# KiCad board GateMateA1-EVB_Rev_A.kicad_pcb (continued)
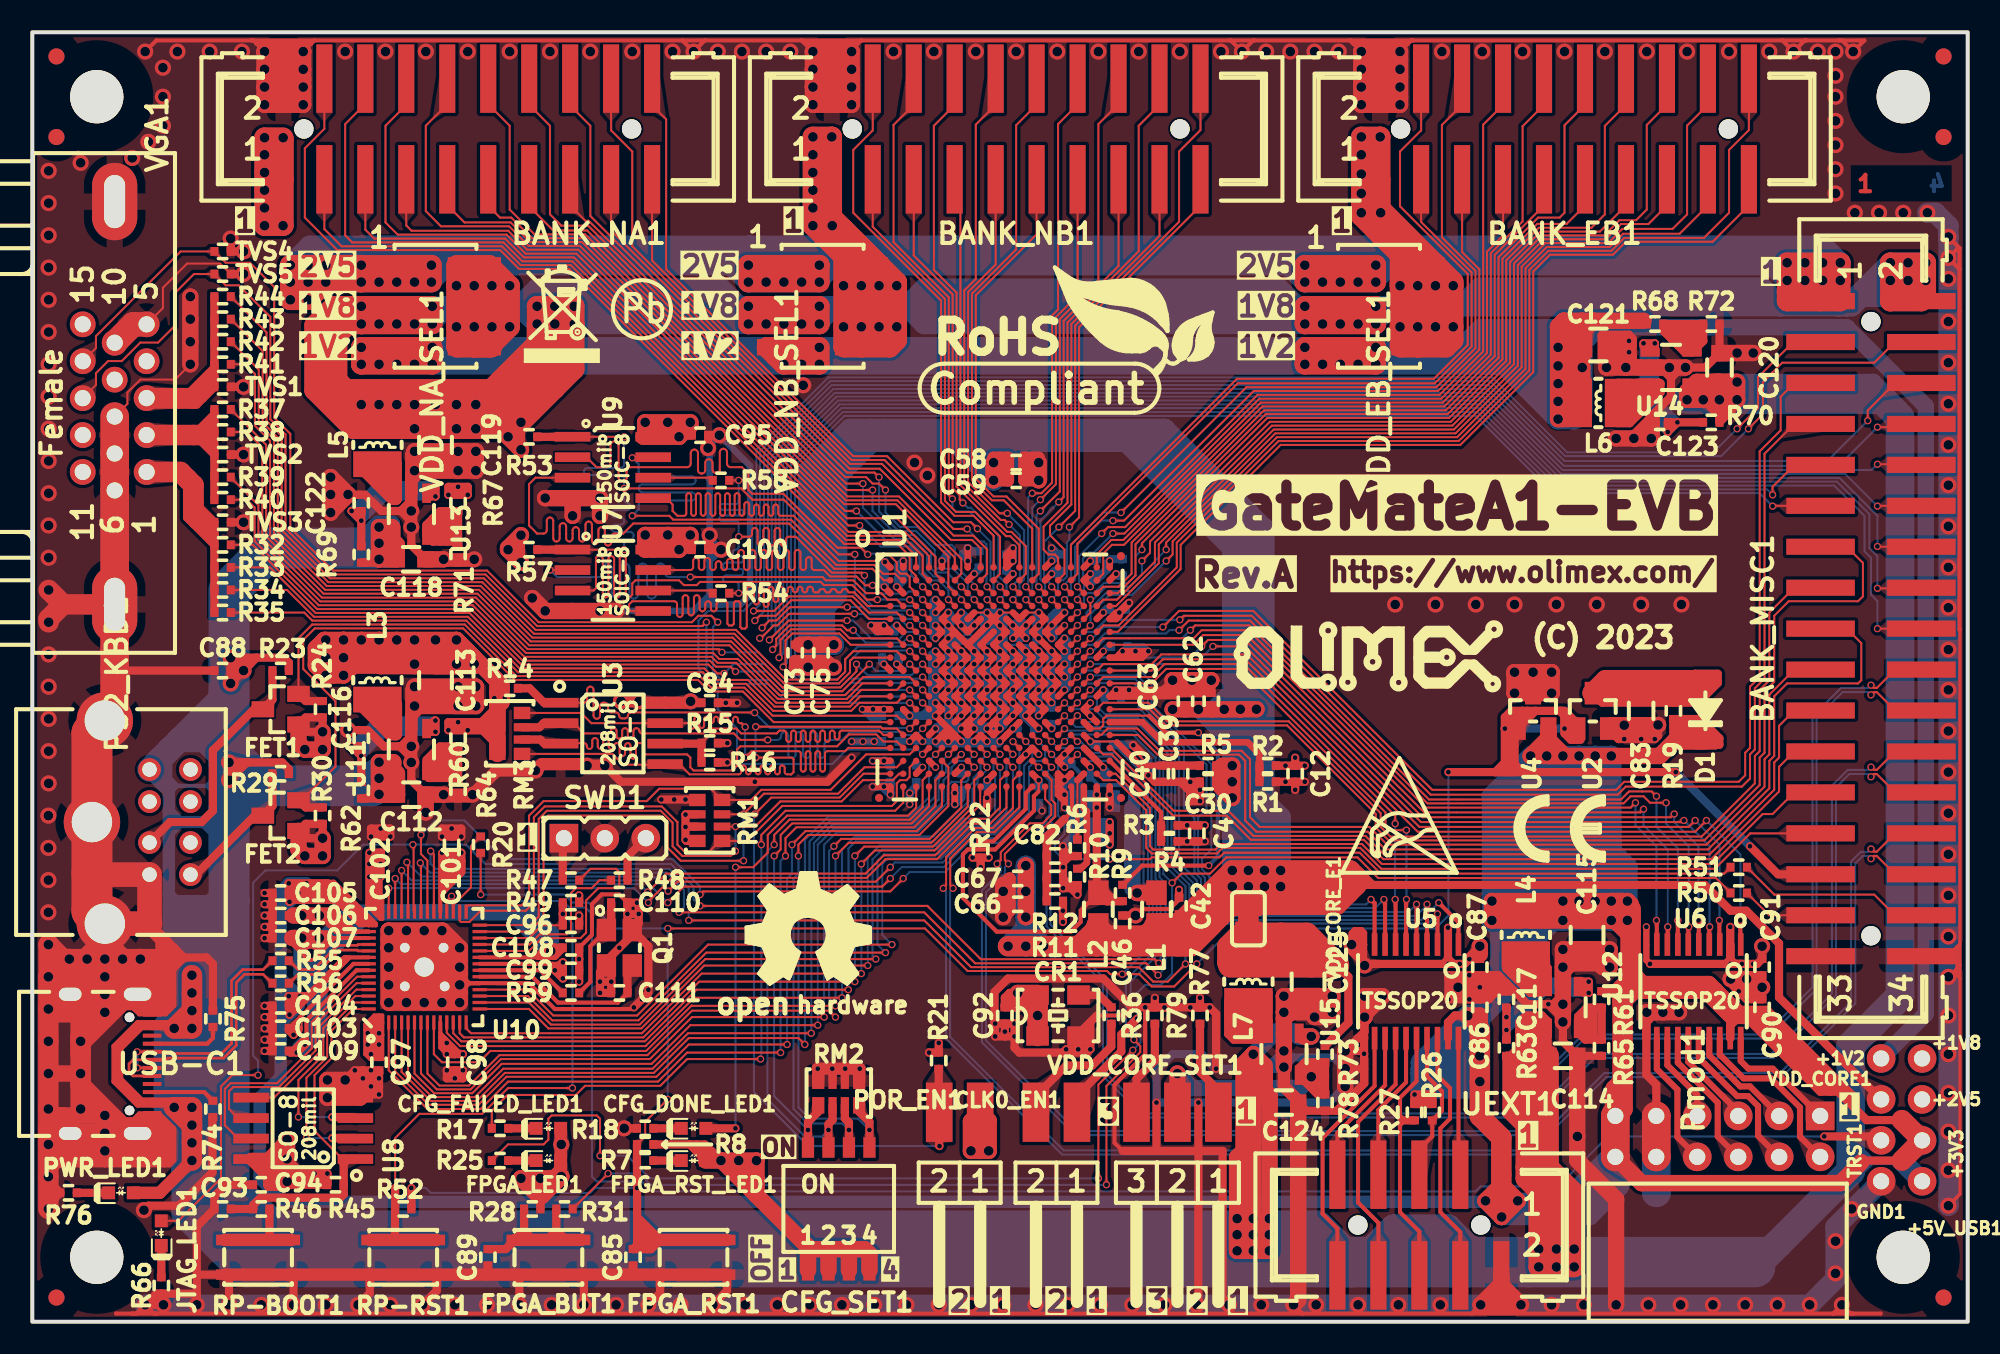
[diagram p0: board, top side]
## Footprints (pads in the part's own frame, mm; a bottom-side part is the same pattern mirrored in y, then rotated)
5032-4P_HCX-3S
  rect 1.4x1.2 smd: 1(-1.27,-1.27) 2(1.27,-1.27) 3(1.27,1.27) 4(-1.27,1.27)
C_0402_5MIL_DWS
  rect 0.5x0.55 smd: 1(-0.508,0) 2(0.508,0)
C_0603_5MIL_DWS
  rect 1.016x1.016 smd: 1(-0.889,0) 2(0.889,0)
C_0805_5MIL_DWS
  rect 1.27x1.524 smd: 1(-1.016,0) 2(1.016,0)
CD32
  rect 1.6x3 smd: 1(-1.2,0) 2(1.2,0)
D_0402_5MIL_DWS
  rect 0.5x0.55 smd: 1(-0.508,0) 2(0.508,0)
Digilent_Pmod_12-pin
  rect 1.778x1.778 hole 1: 1(-1.27,6.35)
  round 1.778 hole 1: 2(-1.27,3.81) 3(-1.27,1.27) 4(-1.27,-1.27) 5(-1.27,-3.81) 6(-1.27,-6.35) 7(1.27,6.35) 8(1.27,3.81) 9(1.27,1.27) 10(1.27,-1.27) 11(1.27,-3.81) 12(1.27,-6.35)
DSHP04TS-S-1.27mm_Half_4_Slide
  rect 0.96x1.47 smd: (-1.905,3.81) (-1.905,-3.81) (-0.635,3.81) (-0.635,-3.81) (0.635,3.81) (0.635,-3.81) (1.905,3.81) (1.905,-3.81)
  rect 0.76x1.27 smd: 1(-1.905,-3.81) 2(-0.635,-3.81) 3(0.635,-3.81) 4(1.905,-3.81) 5(1.905,3.81) 6(0.635,3.81) 7(-0.635,3.81) 8(-1.905,3.81)
FBGA-324_P0.8mm_Pad0.4mm_Ball0.45mm_Dim15.00x15.00x1.20mm
  rect 0.42x0.42 smd: (-6.8,6.8) (-6.8,6) (-6.8,5.2) (-6.8,4.4) (-6.8,3.6) (-6.8,2.8) (-6.8,2) (-6.8,1.2) (-6.8,0.4) (-6.8,-0.4) (-6.8,-1.2) (-6.8,-2) (-6.8,-2.8) (-6.8,-3.6) (-6.8,-4.4) (-6.8,-5.2) (-6.8,-6) (-6.8,-6.8) (-6,6.8) (-6,6) (-6,5.2) (-6,4.4) (-6,3.6) (-6,2.8) (-6,2) (-6,1.2) (-6,0.4) (-6,-0.4) (-6,-1.2) (-6,-2) (-6,-2.8) (-6,-3.6) (-6,-4.4) (-6,-5.2) (-6,-6) (-6,-6.8) (-5.2,6.8) (-5.2,6) (-5.2,5.2) (-5.2,4.4) (-5.2,3.6) (-5.2,2.8) (-5.2,2) (-5.2,1.2) (-5.2,0.4) (-5.2,-0.4) (-5.2,-1.2) (-5.2,-2) (-5.2,-2.8) (-5.2,-3.6) (-5.2,-4.4) (-5.2,-5.2) (-5.2,-6) (-5.2,-6.8) (-4.4,6.8) (-4.4,6) (-4.4,5.2) (-4.4,4.4) (-4.4,3.6) (-4.4,2.8) (-4.4,2) (-4.4,1.2) (-4.4,0.4) (-4.4,-0.4) (-4.4,-1.2) (-4.4,-2) (-4.4,-2.8) (-4.4,-3.6) (-4.4,-4.4) (-4.4,-5.2) (-4.4,-6) (-4.4,-6.8) (-3.6,6.8) (-3.6,6) (-3.6,5.2) (-3.6,4.4) (-3.6,3.6) (-3.6,2.8) (-3.6,2) (-3.6,1.2) (-3.6,0.4) (-3.6,-0.4) (-3.6,-1.2) (-3.6,-2) (-3.6,-2.8) (-3.6,-3.6) (-3.6,-4.4) (-3.6,-5.2) (-3.6,-6) (-3.6,-6.8) (-2.8,6.8) (-2.8,6) (-2.8,5.2) (-2.8,4.4) (-2.8,3.6) (-2.8,2.8) (-2.8,2) (-2.8,1.2) (-2.8,0.4) (-2.8,-0.4) (-2.8,-1.2) (-2.8,-2) (-2.8,-2.8) (-2.8,-3.6) (-2.8,-4.4) (-2.8,-5.2) (-2.8,-6) (-2.8,-6.8) (-2,6.8) (-2,6) (-2,5.2) (-2,4.4) (-2,3.6) (-2,2.8) (-2,2) (-2,1.2) (-2,0.4) (-2,-0.4) (-2,-1.2) (-2,-2) (-2,-2.8) (-2,-3.6) (-2,-4.4) (-2,-5.2) (-2,-6) (-2,-6.8) (-1.2,6.8) (-1.2,6) (-1.2,5.2) (-1.2,4.4) (-1.2,3.6) (-1.2,2.8) (-1.2,2) (-1.2,1.2) (-1.2,0.4) (-1.2,-0.4) (-1.2,-1.2) (-1.2,-2) (-1.2,-2.8) (-1.2,-3.6) (-1.2,-4.4) (-1.2,-5.2) (-1.2,-6) (-1.2,-6.8) (-0.4,6.8) (-0.4,6) (-0.4,5.2) (-0.4,4.4) (-0.4,3.6) (-0.4,2.8) (-0.4,2) (-0.4,1.2) (-0.4,0.4) (-0.4,-0.4) (-0.4,-1.2) (-0.4,-2) (-0.4,-2.8) (-0.4,-3.6) (-0.4,-4.4) (-0.4,-5.2) (-0.4,-6) (-0.4,-6.8) (0.4,6.8) (0.4,6) (0.4,5.2) (0.4,4.4) (0.4,3.6) (0.4,2.8) (0.4,2) (0.4,1.2) (0.4,0.4) (0.4,-0.4) (0.4,-1.2) (0.4,-2) (0.4,-2.8) (0.4,-3.6) (0.4,-4.4) (0.4,-5.2) (0.4,-6) (0.4,-6.8) (1.2,6.8) (1.2,6) (1.2,5.2) (1.2,4.4) (1.2,3.6) (1.2,2.8) (1.2,2) (1.2,1.2) (1.2,0.4) (1.2,-0.4) (1.2,-1.2) (1.2,-2) (1.2,-2.8) (1.2,-3.6) (1.2,-4.4) (1.2,-5.2) (1.2,-6) (1.2,-6.8) (2,6.8) (2,6) (2,5.2) (2,4.4) (2,3.6) (2,2.8) (2,2) (2,1.2) (2,0.4) (2,-0.4) (2,-1.2) (2,-2) (2,-2.8) (2,-3.6) (2,-4.4) (2,-5.2) (2,-6) (2,-6.8) (2.8,6.8) (2.8,6) (2.8,5.2) (2.8,4.4) (2.8,3.6) (2.8,2.8) (2.8,2) (2.8,1.2) (2.8,0.4) (2.8,-0.4) (2.8,-1.2) (2.8,-2) (2.8,-2.8) (2.8,-3.6) (2.8,-4.4) (2.8,-5.2) (2.8,-6) (2.8,-6.8) (3.6,6.8) (3.6,6) (3.6,5.2) (3.6,4.4) (3.6,3.6) (3.6,2.8) (3.6,2) (3.6,1.2) (3.6,0.4) (3.6,-0.4) (3.6,-1.2) (3.6,-2) (3.6,-2.8) (3.6,-3.6) (3.6,-4.4) (3.6,-5.2) (3.6,-6) (3.6,-6.8) (4.4,6.8) (4.4,6) (4.4,5.2) (4.4,4.4) (4.4,3.6) (4.4,2.8) (4.4,2) (4.4,1.2) (4.4,0.4) (4.4,-0.4) (4.4,-1.2) (4.4,-2) (4.4,-2.8) (4.4,-3.6) (4.4,-4.4) (4.4,-5.2) (4.4,-6) (4.4,-6.8) (5.2,6.8) (5.2,6) (5.2,5.2) (5.2,4.4) (5.2,3.6) (5.2,2.8) (5.2,2) (5.2,1.2) (5.2,0.4) (5.2,-0.4) (5.2,-1.2) (5.2,-2) (5.2,-2.8) (5.2,-3.6) (5.2,-4.4) (5.2,-5.2) (5.2,-6) (5.2,-6.8) (6,6.8) (6,6) (6,5.2) (6,4.4) (6,3.6) (6,2.8) (6,2) (6,1.2) (6,0.4) (6,-0.4) (6,-1.2) (6,-2) (6,-2.8) (6,-3.6) (6,-4.4) (6,-5.2) (6,-6) (6,-6.8) (6.8,6.8) (6.8,6) (6.8,5.2) (6.8,4.4) (6.8,3.6) (6.8,2.8) (6.8,2) (6.8,1.2) (6.8,0.4) (6.8,-0.4) (6.8,-1.2) (6.8,-2) (6.8,-2.8) (6.8,-3.6) (6.8,-4.4) (6.8,-5.2) (6.8,-6) (6.8,-6.8)
  round 0.4 smd: A1(-6.8,-6.8) A2(-6.8,-6) A3(-6.8,-5.2) A4(-6.8,-4.4) A5(-6.8,-3.6) A6(-6.8,-2.8) A7(-6.8,-2) A8(-6.8,-1.2) A9(-6.8,-0.4) A10(-6.8,0.4) A11(-6.8,1.2) A12(-6.8,2) A13(-6.8,2.8) A14(-6.8,3.6) A15(-6.8,4.4) A16(-6.8,5.2) A17(-6.8,6) A18(-6.8,6.8) B1(-6,-6.8) B2(-6,-6) B3(-6,-5.2) B4(-6,-4.4) B5(-6,-3.6) B6(-6,-2.8) B7(-6,-2) B8(-6,-1.2) B9(-6,-0.4) B10(-6,0.4) B11(-6,1.2) B12(-6,2) B13(-6,2.8) B14(-6,3.6) B15(-6,4.4) B16(-6,5.2) B17(-6,6) B18(-6,6.8) C1(-5.2,-6.8) C2(-5.2,-6) C3(-5.2,-5.2) C4(-5.2,-4.4) C5(-5.2,-3.6) C6(-5.2,-2.8) C7(-5.2,-2) C8(-5.2,-1.2) C9(-5.2,-0.4) C10(-5.2,0.4) C11(-5.2,1.2) C12(-5.2,2) C13(-5.2,2.8) C14(-5.2,3.6) C15(-5.2,4.4) C16(-5.2,5.2) C17(-5.2,6) C18(-5.2,6.8) D1(-4.4,-6.8) D2(-4.4,-6) D3(-4.4,-5.2) D4(-4.4,-4.4) D5(-4.4,-3.6) D6(-4.4,-2.8) D7(-4.4,-2) D8(-4.4,-1.2) D9(-4.4,-0.4) D10(-4.4,0.4) D11(-4.4,1.2) D12(-4.4,2) D13(-4.4,2.8) D14(-4.4,3.6) D15(-4.4,4.4) D16(-4.4,5.2) D17(-4.4,6) D18(-4.4,6.8) E1(-3.6,-6.8) E2(-3.6,-6) E3(-3.6,-5.2) E4(-3.6,-4.4) E5(-3.6,-3.6) E6(-3.6,-2.8) E7(-3.6,-2) E8(-3.6,-1.2) E9(-3.6,-0.4) E10(-3.6,0.4) E11(-3.6,1.2) E12(-3.6,2) E13(-3.6,2.8) E14(-3.6,3.6) E15(-3.6,4.4) E16(-3.6,5.2) E17(-3.6,6) E18(-3.6,6.8) F1(-2.8,-6.8) F2(-2.8,-6) F3(-2.8,-5.2) F4(-2.8,-4.4) F5(-2.8,-3.6) F6(-2.8,-2.8) F7(-2.8,-2) F8(-2.8,-1.2) F9(-2.8,-0.4) F10(-2.8,0.4) F11(-2.8,1.2) F12(-2.8,2) F13(-2.8,2.8) F14(-2.8,3.6) F15(-2.8,4.4) F16(-2.8,5.2) F17(-2.8,6) F18(-2.8,6.8) G1(-2,-6.8) G2(-2,-6) G3(-2,-5.2) G4(-2,-4.4) G5(-2,-3.6) G6(-2,-2.8) G7(-2,-2) G8(-2,-1.2) G9(-2,-0.4) G10(-2,0.4) G11(-2,1.2) G12(-2,2) G13(-2,2.8) G14(-2,3.6) G15(-2,4.4) G16(-2,5.2) G17(-2,6) G18(-2,6.8) H1(-1.2,-6.8) H2(-1.2,-6) H3(-1.2,-5.2) H4(-1.2,-4.4) H5(-1.2,-3.6) H6(-1.2,-2.8) H7(-1.2,-2) H8(-1.2,-1.2) H9(-1.2,-0.4) H10(-1.2,0.4) H11(-1.2,1.2) H12(-1.2,2) H13(-1.2,2.8) H14(-1.2,3.6) H15(-1.2,4.4) H16(-1.2,5.2) H17(-1.2,6) H18(-1.2,6.8) J1(-0.4,-6.8) J2(-0.4,-6) J3(-0.4,-5.2) J4(-0.4,-4.4) J5(-0.4,-3.6) J6(-0.4,-2.8) J7(-0.4,-2) J8(-0.4,-1.2) J9(-0.4,-0.4) J10(-0.4,0.4) J11(-0.4,1.2) J12(-0.4,2) J13(-0.4,2.8) J14(-0.4,3.6) J15(-0.4,4.4) J16(-0.4,5.2) J17(-0.4,6) J18(-0.4,6.8) K1(0.4,-6.8) K2(0.4,-6) K3(0.4,-5.2) K4(0.4,-4.4) K5(0.4,-3.6) K6(0.4,-2.8) K7(0.4,-2) K8(0.4,-1.2) K9(0.4,-0.4) K10(0.4,0.4) K11(0.4,1.2) K12(0.4,2) K13(0.4,2.8) K14(0.4,3.6) K15(0.4,4.4) K16(0.4,5.2) K17(0.4,6) K18(0.4,6.8) L1(1.2,-6.8) L2(1.2,-6) L3(1.2,-5.2) L4(1.2,-4.4) L5(1.2,-3.6) L6(1.2,-2.8) L7(1.2,-2) L8(1.2,-1.2) L9(1.2,-0.4) L10(1.2,0.4) L11(1.2,1.2) L12(1.2,2) L13(1.2,2.8) L14(1.2,3.6) L15(1.2,4.4) L16(1.2,5.2) L17(1.2,6) L18(1.2,6.8) M1(2,-6.8) M2(2,-6) M3(2,-5.2) M4(2,-4.4) M5(2,-3.6) M6(2,-2.8) M7(2,-2) M8(2,-1.2) M9(2,-0.4) M10(2,0.4) M11(2,1.2) M12(2,2) M13(2,2.8) M14(2,3.6) M15(2,4.4) M16(2,5.2) M17(2,6) M18(2,6.8) N1(2.8,-6.8) N2(2.8,-6) N3(2.8,-5.2) N4(2.8,-4.4) N5(2.8,-3.6) N6(2.8,-2.8) N7(2.8,-2) N8(2.8,-1.2) N9(2.8,-0.4) N10(2.8,0.4) N11(2.8,1.2) N12(2.8,2) N13(2.8,2.8) N14(2.8,3.6) N15(2.8,4.4) N16(2.8,5.2) N17(2.8,6) N18(2.8,6.8) P1(3.6,-6.8) P2(3.6,-6) P3(3.6,-5.2) P4(3.6,-4.4) P5(3.6,-3.6) P6(3.6,-2.8) P7(3.6,-2) P8(3.6,-1.2) P9(3.6,-0.4) P10(3.6,0.4) P11(3.6,1.2) P12(3.6,2) P13(3.6,2.8) P14(3.6,3.6) P15(3.6,4.4) P16(3.6,5.2) P17(3.6,6) P18(3.6,6.8) R1(4.4,-6.8) R2(4.4,-6) R3(4.4,-5.2) R4(4.4,-4.4) R5(4.4,-3.6) R6(4.4,-2.8) R7(4.4,-2) R8(4.4,-1.2) R9(4.4,-0.4) R10(4.4,0.4) R11(4.4,1.2) R12(4.4,2) R13(4.4,2.8) R14(4.4,3.6) R15(4.4,4.4) R16(4.4,5.2) R17(4.4,6) R18(4.4,6.8) T1(5.2,-6.8) T2(5.2,-6) T3(5.2,-5.2) T4(5.2,-4.4) T5(5.2,-3.6) T6(5.2,-2.8) T7(5.2,-2) T8(5.2,-1.2) T9(5.2,-0.4) T10(5.2,0.4) T11(5.2,1.2) T12(5.2,2) T13(5.2,2.8) T14(5.2,3.6) T15(5.2,4.4) T16(5.2,5.2) T17(5.2,6) T18(5.2,6.8) U1(6,-6.8) U2(6,-6) U3(6,-5.2) U4(6,-4.4) U5(6,-3.6) U6(6,-2.8) U7(6,-2) U8(6,-1.2) U9(6,-0.4) U10(6,0.4) U11(6,1.2) U12(6,2) U13(6,2.8) U14(6,3.6) U15(6,4.4) U16(6,5.2) U17(6,6) U18(6,6.8) V1(6.8,-6.8) V2(6.8,-6) V3(6.8,-5.2) V4(6.8,-4.4) V5(6.8,-3.6) V6(6.8,-2.8) V7(6.8,-2) V8(6.8,-1.2) V9(6.8,-0.4) V10(6.8,0.4) V11(6.8,1.2) V12(6.8,2) V13(6.8,2.8) V14(6.8,3.6) V15(6.8,4.4) V16(6.8,5.2) V17(6.8,6) V18(6.8,6.8)
  round 0.5 smd: L-FID1(-7.5,7.5) L-FID2(7.5,7.5) L-FID3(7.5,-7.5)
Fiducial1x3
  round 1 smd: Fid1(0,0)
Fiducial1x3_Paste
  round 1 smd: Fid1(0,0)
GBH-254-SMT-10
  trapezoid 1.7x4.55 smd: (-5.08,3.125) (-5.08,-3.125) (-2.54,3.125) (-2.54,-3.125) (0,3.125) (0,-3.125) (2.54,3.125) (2.54,-3.125) (5.08,3.125) (5.08,-3.125)
  round 1.2 hole 1.2 unplated: (-3.81,0) (3.81,0)
  rect 1x4.25 smd: 1(-5.08,-3.125) 2(-5.08,3.125) 3(-2.54,-3.125) 4(-2.54,3.125) 5(0,-3.125) 6(0,3.125) 7(2.54,-3.125) 8(2.54,3.125) 9(5.08,-3.125) 10(5.08,3.125)
GBH-254-SMT-20
  rect 1.7x4.55 smd: (-11.43,3.125) (-11.43,-3.125) (-8.89,3.125) (-8.89,-3.125) (-6.35,3.125) (-6.35,-3.125) (-3.81,3.125) (-3.81,-3.125) (-1.27,3.125) (-1.27,-3.125) (1.27,3.125) (1.27,-3.125) (3.81,3.125) (3.81,-3.125) (6.35,3.125) (6.35,-3.125) (8.89,3.125) (8.89,-3.125) (11.43,3.125) (11.43,-3.125)
  round 1.2 hole 1.2 unplated: (-10.16,0) (10.16,0)
  rect 1x4.25 smd: 1(-11.43,-3.125) 2(-11.43,3.125) 3(-8.89,-3.125) 4(-8.89,3.125) 5(-6.35,-3.125) 6(-6.35,3.125) 7(-3.81,-3.125) 8(-3.81,3.125) 9(-1.27,-3.125) 10(-1.27,3.125) 11(1.27,-3.125) 12(1.27,3.125) 13(3.81,-3.125) 14(3.81,3.125) 15(6.35,-3.125) 16(6.35,3.125) 17(8.89,-3.125) 18(8.89,3.125) 19(11.43,-3.125) 20(11.43,3.125)
GBH-254-SMT-34
  rect 1.7x4.55 smd: (-20.32,3.125) (-20.32,-3.125) (-17.78,3.125) (-17.78,-3.125) (-15.24,3.125) (-15.24,-3.125) (-12.7,3.125) (-12.7,-3.125) (-10.16,3.125) (-10.16,-3.125) (-7.62,3.125) (-7.62,-3.125) (-5.08,3.125) (-5.08,-3.125) (-2.54,3.125) (-2.54,-3.125) (0,3.125) (0,-3.125) (2.54,3.125) (2.54,-3.125) (5.08,3.125) (5.08,-3.125) (7.62,3.125) (7.62,-3.125) (10.16,3.125) (10.16,-3.125) (12.7,3.125) (12.7,-3.125) (15.24,3.125) (15.24,-3.125) (17.78,3.125) (17.78,-3.125) (20.32,3.125) (20.32,-3.125)
  round 1.2 hole 1.2 unplated: (-19.05,0) (19.05,0)
  rect 1x4.25 smd: 1(-20.32,-3.125) 2(-20.32,3.125) 3(-17.78,-3.125) 4(-17.78,3.125) 5(-15.24,-3.125) 6(-15.24,3.125) 7(-12.7,-3.125) 8(-12.7,3.125) 9(-10.16,-3.125) 10(-10.16,3.125) 11(-7.62,-3.125) 12(-7.62,3.125) 13(-5.08,-3.125) 14(-5.08,3.125) 15(-2.54,-3.125) 16(-2.54,3.125) 17(0,-3.125) 18(0,3.125) 19(2.54,-3.125) 20(2.54,3.125) 21(5.08,-3.125) 22(5.08,3.125) 23(7.62,-3.125) 24(7.62,3.125) 25(10.16,-3.125) 26(10.16,3.125) 27(12.7,-3.125) 28(12.7,3.125) 29(15.24,-3.125) 30(15.24,3.125) 31(17.78,-3.125) 32(17.78,3.125) 33(20.32,-3.125) 34(20.32,3.125)
GPH254SMT02x03(H-V33X-2X3-LF)
  rect 1.778x3.556 smd: (-2.54,2.413) (-2.54,-2.413) (0,2.413) (0,-2.413) (2.54,2.413) (2.54,-2.413)
  rect 1.016x3.302 smd: 1(-2.54,-2.413) 2(-2.54,2.413) 3(0,-2.413) 4(0,2.413) 5(2.54,-2.413) 6(2.54,2.413)
HN1x2(SMD)_H-WX-1x2-LF
  rect 2.032x4.572 smd: (-1.27,0) (1.27,0)
  rect 1.651x3.683 smd: 1(-1.27,0) 2(1.27,0)
HN1x3
  rect 1.778x1.778 hole 1: 1(-2.54,0)
  round 1.778 hole 1: 2(0,0) 3(2.54,0)
HN1x3(SMD)_H-WX-1x3-LF
  rect 2.032x4.572 smd: (-2.54,0) (0,0) (2.54,0)
  rect 1.651x3.683 smd: 1(-2.54,0) 2(0,0) 3(2.54,0)
L_0805_5MIL_DWS
  rect 1.524x1.27 smd: 1(-1.016,0) 2(1.016,0)
LED_0603_KA
  rect 0.8x0.8 smd: 1(-0.762,0) 2(0.762,0)
Mounting_Hole_Drill-3.3mm_Clerance-7mm
  round 3.3 hole 3.3 unplated: (0,0)
PS2_MDR6_MINI-DIN
  round 1.41 hole 0.9: 1(1.27,1.77) 2(-1.27,1.77) 3(3.26,1.77) 4(-3.26,1.77) 5(3.26,4.31) 6(-3.26,4.31) 7(-1.27,4.31) 8(1.27,4.31)
  round 3.5 hole 2.5: 9(-6.3,-1) 9(0,-1.8) 9(6.3,-1)
QFN56_7x7_Pitch_0.4mm
  rect 0.886x0.211 smd: (-3.438,2.6) (-3.438,2.2) (-3.438,1.8) (-3.438,1.4) (-3.438,1) (-3.438,0.6) (-3.438,0.2) (-3.438,-0.2) (-3.438,-0.6) (-3.438,-1) (-3.438,-1.4) (-3.438,-1.8) (-3.438,-2.2) (-3.438,-2.6) (3.438,2.6) (3.438,2.2) (3.438,1.8) (3.438,1.4) (3.438,1) (3.438,0.6) (3.438,0.2) (3.438,-0.2) (3.438,-0.6) (3.438,-1) (3.438,-1.4) (3.438,-1.8) (3.438,-2.2) (3.438,-2.6)
  rect 0.211x0.886 smd: (-2.6,3.438) (-2.6,-3.438) (-2.2,3.438) (-2.2,-3.438) (-1.8,3.438) (-1.8,-3.438) (-1.4,3.438) (-1.4,-3.438) (-1,3.438) (-1,-3.438) (-0.6,3.438) (-0.6,-3.438) (-0.2,3.438) (-0.2,-3.438) (0.2,3.438) (0.2,-3.438) (0.6,3.438) (0.6,-3.438) (1,3.438) (1,-3.438) (1.4,3.438) (1.4,-3.438) (1.8,3.438) (1.8,-3.438) (2.2,3.438) (2.2,-3.438) (2.6,3.438) (2.6,-3.438)
  rect 0.8x1.7 smd: (-1.194,0) (1.194,0)
  rect 0.949x0.8 smd: (0,1.194) (0,-1.194)
  rect 0.2x0.875 smd: 1(-2.6,-3.438) 2(-2.2,-3.438) 3(-1.8,-3.438) 4(-1.4,-3.438) 5(-1,-3.438) 6(-0.6,-3.438) 7(-0.2,-3.438) 8(0.2,-3.438) 9(0.6,-3.438) 10(1,-3.438) 11(1.4,-3.438) 12(1.8,-3.438) 13(2.2,-3.438) 14(2.6,-3.438) 29(2.6,3.438) 30(2.2,3.438) 31(1.8,3.438) 32(1.4,3.438) 33(1,3.438) 34(0.6,3.438) 35(0.2,3.438) 36(-0.2,3.438) 37(-0.6,3.438) 38(-1,3.438) 39(-1.4,3.438) 40(-1.8,3.438) 41(-2.2,3.438) 42(-2.6,3.438)
  rect 0.875x0.2 smd: 15(3.438,-2.6) 16(3.438,-2.2) 17(3.438,-1.8) 18(3.438,-1.4) 19(3.438,-1) 20(3.438,-0.6) 21(3.438,-0.2) 22(3.438,0.2) 23(3.438,0.6) 24(3.438,1) 25(3.438,1.4) 26(3.438,1.8) 27(3.438,2.2) 28(3.438,2.6) 43(-3.438,2.6) 44(-3.438,2.2) 45(-3.438,1.8) 46(-3.438,1.4) 47(-3.438,1) 48(-3.438,0.6) 49(-3.438,0.2) 50(-3.438,-0.2) 51(-3.438,-0.6) 52(-3.438,-1) 53(-3.438,-1.4) 54(-3.438,-1.8) 55(-3.438,-2.2) 56(-3.438,-2.6)
  round 1 hole 0.6: 57(-1.2,1.2) 57(-1.2,-1.2) 57(1.2,1.2) 57(1.27,-1.2)
  round 1.8 hole 1.2: 57(0,0)
  rect 3.2x3.2 smd: 57(0,0)
R_0402_5MIL_DWS
  rect 0.5x0.55 smd: 1(-0.508,0) 2(0.508,0)
RA1206_(4X0603)_4B8_xx
  rect 0.762x1.016 smd: 1.1(-1.27,-0.762) 1.2(-1.27,0.762) 4.1(1.27,-0.762) 4.2(1.27,0.762)
  rect 0.508x1.016 smd: 2.1(-0.381,-0.762) 2.2(-0.381,0.762) 3.1(0.381,-0.762) 3.2(0.381,0.762)
SJ_Closed
  rect 1.168x1.6 smd: 1(-0.762,0) 1(-0.762,0) 2(0.762,0)
  rect 0.762x0.508 smd: 1(-0.254,0) 2(0.254,0)
SO-8_208mil
  rect 0.6x2.2 smd: 1(-1.905,-3.235) 2(-0.635,-3.235) 3(0.635,-3.235) 4(1.905,-3.235) 5(1.905,3.235) 6(0.635,3.235) 7(-0.635,3.235) 8(-1.905,3.235)
SOD-123_1C-2A_KA
  rect 1x1.4 smd: 1(-1.9,0) 2(1.9,0)
SOIC-8_150mil
  rect 0.6x2.2 smd: 1(-1.905,-2.5) 2(-0.635,-2.5) 3(0.635,-2.5) 4(1.905,-2.5) 5(1.905,2.5) 6(0.635,2.5) 7(-0.635,2.5) 8(-1.905,2.5)
SOT23
  rect 1.4x1 smd: 1(1.107,-0.95) 2(1.107,0.953) 3(-1.102,-0.003)
SOT-23
  rect 1.4x1 smd: 1(1.1,-0.95) 2(1.1,0.95) 3(-1.1,0)
SOT-23-5
  rect 1.2x0.55 smd: 1(1.3,-0.95) 2(1.3,0) 3(1.3,0.95) 4(-1.3,0.95) 5(-1.3,-0.95)
TEST_PAD_40x70_Round
  round 1.778 hole 1: 1(0,0)
TSSOP20_Pitch-0.65mm_6.6x4.5x1.2mm
  rect 0.35x1.4 smd: 1(-2.925,-2.9) 2(-2.275,-2.9) 3(-1.625,-2.9) 4(-0.975,-2.9) 5(-0.325,-2.9) 6(0.325,-2.9) 7(0.975,-2.9) 8(1.625,-2.9) 9(2.275,-2.9) 10(2.925,-2.9) 11(2.925,2.9) 12(2.275,2.9) 13(1.625,2.9) 14(0.975,2.9) 15(0.325,2.9) 16(-0.325,2.9) 17(-0.975,2.9) 18(-1.625,2.9) 19(-2.275,2.9) 20(-2.925,2.9)
TSX-3.2x2.5mm_GND(3)
  rect 1.4x1.2 smd: 1(-1.1,-0.8) 2(1.1,0.8) 3(-1.1,0.8) 3(1.1,-0.8)
USB2.0_TYPE-C(A40-00119-A52-12)_Paste
  rect 3.2x2.1 smd: (-3.03,4.928) (-3.03,-4.928)
  round 0.6 hole 0.6 unplated: (-2.53,2.89) (-2.53,-2.89)
  rect 3x2.1 smd: (1.15,4.928) (1.15,-4.928)
  rect 2.2x1.1 smd: 0(-3.03,4.928) 0(-3.03,-4.928)
  oval 2.2x1.2 hole 1.7x0.8: 0(-3.03,4.32) 0(-3.03,-4.32)
  rect 2x1.1 smd: 0(1.15,4.928) 0(1.15,-4.928)
  oval 2x1.3 hole 1.4x0.8: 0(1.15,4.32) 0(1.15,-4.32)
  rect 1.15x0.3 smd: A1(-3.932,-3.325) A4(-3.932,-2.525) A9(-3.932,2.525) A12(-3.932,3.325) B1(-3.932,3.075) B4(-3.932,2.275) B9(-3.932,-2.275) B12(-3.932,-3.075)
  rect 1.15x0.25 smd: A5(-3.932,-1.25) A6(-3.932,-0.25) A7(-3.932,0.25) A8(-3.932,1.25) B5(-3.932,1.75) B6(-3.932,0.75) B7(-3.932,-0.75) B8(-3.932,-1.75)
VGA15-F(HDR15-3.08-14.5T)_DrillSlot
  round 1.6 hole 1: 1(4.28,5.59) 2(1.99,5.59) 3(-0.3,5.59) 4(-2.59,5.59) 5(-4.88,5.59) 6(5.425,3.61) 7(3.135,3.61) 8(0.845,3.61) 9(-1.445,3.61) 10(-3.735,3.61) 11(4.28,1.63) 12(1.99,1.63) 13(-0.3,1.63) 14(-2.59,1.63) 15(-4.88,1.63)
  oval 4.8x2.8 hole 3.3x1.3: 16(-12.495,3.61) 17(12.495,3.61)
YTS-A016-X
  rect 1.4x1 smd: (-2.075,1.075) (-2.075,-1.075) (2.075,1.075) (2.075,-1.075)
  rect 1.05x0.65 smd: 1(-2.075,1.075) 1(2.075,1.075) 2(-2.075,-1.075) 2(2.075,-1.075)

## Nets
+1V2: +1V2.1 C121.1 L6.2 R68.2 VDD_EB_SEL1.5 VDD_NA_SEL1.5 VDD_NB_SEL1.5
+1V8: +1V8.1 BANK_MISC1.2 C6.1 C14.1 C22.2 C29.2 C38.2 C95.2 C100.2 C119.1 L5.2 R53.1 R57.1 R67.2 U1.A2 U1.C2 U1.D5 U1.F2 U1.F5 U7.8 U9.8 VDD_EB_SEL1.3 VDD_NA_SEL1.3 VDD_NB_SEL1.3
+2V5: +2V5.1 BANK_MISC1.1 C1.2 C3.2 C4.1 C5.2 C9.1 C11.1 C12.1 C13.1 C17.1 C19.1 C20.2 C21.1 C25.1 C27.1 C28.1 C33.1 C35.1 C36.2 C37.1 C68.1 C70.1 C72.1 C74.1 C76.1 C78.2 C79.1 C80.1 C81.1 C84.2 C87.1 C91.1 C92.2 C94.2 C97.1 C98.1 C99.1 C101.1 C102.1 C103.1 C106.1 C113.1 CFG_FAILED_LED1.2 CFG_SET1.1 CFG_SET1.2 CFG_SET1.3 CFG_SET1.4 CR1.1 CR1.4 FET1.1 FET2.1 FPGA_LED1.2 FPGA_RST_LED1.2 L3.2 POR_EN1.1 R2.1 R3.1 R8.2 R11.2 R14.2 R15.2 R24.1 R28.2 R30.1 R45.1 R49.1 R60.2 RM1.1.2 RM1.2.2 RM1.3.2 RM3.1.2 RM3.2.2 RM3.3.2 RM3.4.2 U1.G14 U1.H5 U1.H17 U1.J2 U1.J14 U1.K5 U1.L14 U1.L17 U1.M2 U1.M5 U1.N5 U1.N11 U1.N13 U1.P3 U1.P5 U1.P6 U1.P8 U1.P10 U1.R15 U1.T1 U1.T14 U1.U3 U1.U6 U1.U9 U3.8 U5.2 U5.10 U6.2 U6.10 U8.8 U10.1 U10.10 U10.22 U10.33 U10.42 U10.44 U10.49 VDD_EB_SEL1.1 VDD_NA_SEL1.1 VDD_NB_SEL1.1
+3V3: +3V3.1 C86.1 C90.1 C104.1 C105.1 C115.1 D1.1 L4.2 Pmod1.6 Pmod1.12 R19.1 R26.1 R27.1 R61.2 U4.2 U5.19 U6.19 U10.43 U10.48 UEXT1.1
+5V_USB: +5V_USB1.1 C88.1 C112.1 C114.1 C118.1 C120.1 C124.1 PS2_KBD1.4 PWR_LED1.2 R23.1 R29.1 R62.2 R63.2 R69.2 R70.2 U11.4 U12.4 U13.4 U14.4 U15.1 U15.4 USB-C1.A4 USB-C1.A9 USB-C1.B4 USB-C1.B9
/+1V1: C107.1 C108.1 C109.1 U10.23 U10.45 U10.50
/VDD_PLL: C39.2 C40.2 C41.2 R5.2 U1.P16
/VDD_SER: C47.2 C48.2 C49.2 L2.2 R9.1 U1.U12 U1.V17
/VDD_SER_PLL: C43.2 C44.2 C45.2 L1.2 U1.T16
GND: BANK_EB1.2 BANK_MISC1.33 BANK_MISC1.34 BANK_NA1.2 BANK_NB1.2 C1.1 C2.2 C3.1 C4.2 C5.1 C6.2 C7.1 C8.2 C9.2 C10.2 C11.2 C12.2 C13.2 C14.2 C15.2 C16.1 C17.2 C18.1 C19.2 C20.1 C21.2 C22.1 C23.2 C24.1 C25.2 C26.1 C27.2 C28.2 C29.1 C30.2 C31.2 C32.1 C33.2 C34.1 C35.2 C36.1 C37.2 C38.1 C39.1 C40.1 C41.1 C42.2 C43.1 C44.1 C45.1 C46.2 C47.1 C48.1 C49.1 C50.1 C51.1 C52.1 C53.1 C54.1 C55.1 C56.1 C57.1 C58.1 C59.1 C60.1 C61.1 C62.1 C63.1 C64.1 C65.1 C66.1 C67.1 C68.2 C69.1 C70.2 C71.1 C72.2 C73.1 C74.2 C75.1 C76.2 C77.1 C78.1 C79.2 C80.2 C81.2 C82.2 C83.2 C84.1 C85.1 C86.2 C87.2 C88.2 C89.2 C90.2 C91.2 C92.1 C93.1 C94.1 C95.1 C96.2 C97.2 C98.2 C99.2 C100.1 C101.2 C102.2 C103.2 C104.2 C105.2 C106.2 C107.2 C108.2 C109.2 C110.2 C111.2 C112.2 C113.2 C114.2 C115.2 C116.2 C117.2 C118.2 C119.2 C120.2 C121.2 C122.2 C123.2 C124.2 C125.2 CR1.2 FPGA_BUT1.2 FPGA_RST1.2 GND1.1 Pmod1.5 Pmod1.11 PS2_KBD1.3 PS2_KBD1.9 Q1.3 R1.1 R4.1 R6.1 R10.1 R12.2 R16.2 R18.2 R21.1 R22.2 R64.2 R65.2 R66.2 R71.2 R72.2 R74.1 R75.1 R76.2 R77.1 R78.2 R79.2 RM1.4.2 RM2.1.2 RM2.2.2 RM2.3.2 RM2.4.2 RP-BOOT1.2 RP-RST1.2 SWD1.2 TVS1.1 TVS2.1 TVS3.1 TVS4.1 TVS5.1 U1.A1 U1.A7 U1.A10 U1.A13 U1.A18 U1.B16 U1.C1 U1.E5 U1.E7 U1.E9 U1.E11 U1.E13 U1.E18 U1.F1 U1.F6 U1.F8 U1.F10 U1.F12 U1.F14 U1.G5 U1.G7 U1.G9 U1.G11 U1.G13 U1.H6 U1.H8 U1.H10 U1.H12 U1.H14 U1.H18 U1.J1 U1.J5 U1.J7 U1.J9 U1.J11 U1.J13 U1.K6 U1.K8 U1.K10 U1.K12 U1.K14 U1.L5 U1.L7 U1.L9 U1.L11 U1.L13 U1.L18 U1.M1 U1.M6 U1.M8 U1.M10 U1.M12 U1.M16 U1.N7 U1.N9 U1.N12 U1.N17 U1.P4 U1.P7 U1.P9 U1.R12 U1.R16 U1.T4 U1.T11 U1.T17 U1.U14 U1.U15 U1.V1 U1.V6 U1.V9 U1.V14 U1.V18 U2.2 U3.4 U4.3 U5.11 U6.11 U7.4 U8.4 U9.4 U10.19 U10.57 U11.2 U12.2 U13.2 U14.2 U15.2 UEXT1.2 USB-C1.0 USB-C1.A1 USB-C1.A12 USB-C1.B1 USB-C1.B12 VGA1.5 VGA1.6 VGA1.7 VGA1.8 VGA1.10 VGA1.16 VGA1.17
VDD_CORE: C30.1 C42.1 C46.1 C50.2 C51.2 C52.2 C53.2 C54.2 C55.2 C56.2 C57.2 C58.2 C59.2 C60.2 C61.2 C62.2 C63.2 C64.2 C65.2 C66.2 C67.2 C69.2 C71.2 C73.2 C75.2 C77.2 C125.1 L1.1 L2.1 L7.2 R5.1 R73.2 U1.F9 U1.G6 U1.G8 U1.G10 U1.G12 U1.H7 U1.H9 U1.H11 U1.H13 U1.J6 U1.J8 U1.J10 U1.J12 U1.K7 U1.K9 U1.K11 U1.K13 U1.L6 U1.L8 U1.L10 U1.L12 U1.M7 U1.M9 U1.M11 U1.M13 U1.N6 U1.N8 U1.N10 VDD_CORE1.1 VDD_CORE_E1.1 VDD_CORE_E1.2
VDD_EB: BANK_EB1.1 C2.1 C10.1 C18.2 C26.2 C34.2 U1.A16 U1.B18 U1.E14 U1.E17 U1.F13 VDD_EB_SEL1.2 VDD_EB_SEL1.4 VDD_EB_SEL1.6
VDD_NA: BANK_NA1.1 C7.2 C15.1 C23.1 C31.1 U1.A5 U1.B7 U1.E6 U1.E8 U1.F7 VDD_NA_SEL1.2 VDD_NA_SEL1.4 VDD_NA_SEL1.6
VDD_NB: BANK_NB1.1 C8.1 C16.2 C24.2 C32.2 U1.B10 U1.B13 U1.E10 U1.E12 U1.F11 VDD_NB_SEL1.2 VDD_NB_SEL1.4 VDD_NB_SEL1.6
//CFG_FAILED: R17.2 U1.V2
/CFG_DONE: CFG_DONE_LED1.2 U1.V3
/CFG_MD0: CFG_SET1.5 RM2.4.1 U1.R5
/CFG_MD1: CFG_SET1.6 RM2.3.1 U1.T5
/CFG_MD2: CFG_SET1.7 RM2.2.1 U1.U4
/CFG_MD3: CFG_SET1.8 RM2.1.1 U1.V4
/CLK: U8.6 U10.52
/CLK0: CLK0_EN1.1 R50.1 U1.N14
/CLK3: R51.2 U1.R13
/CSn: C93.2 R45.2 R46.1 U8.1 U10.56
/D+: R56.2 U10.47
/D-: R55.2 U10.46
/EA_A0: U1.M15 U5.1
/EA_A1: U1.L16 U5.4
/EA_A2: U1.K18 U5.6
/EA_A3: U1.K16 U5.8
/EA_A4: U1.J18 U6.1
/EA_A5: U1.J16 U6.4
/EA_A6: U1.H16 U6.6
/EA_A7: U1.G18 U6.8
/EA_A8: BANK_MISC1.5 U1.G16
/EA_B0: U1.M14 U5.3
/EA_B1: U1.L15 U5.5
/EA_B2: U1.K17 U5.7
/EA_B3: U1.K15 U5.9
/EA_B4: U1.J17 U6.3
/EA_B5: U1.J15 U6.5
/EA_B6: U1.H15 U6.7
/EA_B7: U1.G17 U6.9
/EA_B8: BANK_MISC1.7 U1.G15
/EB_A0: BANK_EB1.19 U1.F18
/EB_A1: BANK_EB1.17 U1.F16
/EB_A2: BANK_EB1.15 U1.D18
/EB_A3: BANK_EB1.13 U1.E16
/EB_A4: BANK_EB1.11 U1.C18
/EB_A5: BANK_EB1.9 U1.B17
/EB_A6: BANK_EB1.7 U1.D16
/EB_A7: BANK_EB1.5 U1.D15
/EB_A8: BANK_EB1.3 U1.B15
/EB_B0: BANK_EB1.20 U1.F17
/EB_B1: BANK_EB1.18 U1.F15
/EB_B2: BANK_EB1.16 U1.D17
/EB_B3: BANK_EB1.14 U1.E15
/EB_B4: BANK_EB1.12 U1.C17
/EB_B5: BANK_EB1.10 U1.A17
/EB_B6: BANK_EB1.8 U1.C16
/EB_B7: BANK_EB1.6 U1.C15
/EB_B8: BANK_EB1.4 U1.A15
/FPGA_BUT: R31.2 U1.P13
/FPGA_LED: R25.2 U1.P15
/FPGA_RESET_IN: BANK_MISC1.29 C85.2 FPGA_RST1.1 R7.2 R8.1 R20.1 R52.2 U1.T15 U2.1 U4.1
/FPGA_SPI_CLK: R15.1 R16.1 U1.N4 U3.6
/FPGA_SPI_CSN: R14.1 U1.N3 U3.1
/FPGA_SPI_D0: RM3.1.1 U1.P2 U3.5
/FPGA_SPI_D1: RM3.3.1 U1.P1 U3.2
/FPGA_SPI_D2: RM3.2.1 U1.R2 U3.3
/FPGA_SPI_D3: RM3.4.1 U1.R1 U3.7
/FPGA_SPI_FWD: BANK_MISC1.3 U1.R4
/GPIO0: U1.U5 U10.2
/GPIO1: U1.V5 U10.3
/GPIO2: U1.R6 U10.4
/GPIO3: U1.T6 U10.5
/GPIO4: U1.R7 U10.6
/GPIO5: U1.T7 U10.7
/GPIO6: U1.U7 U10.8
/GPIO7: U1.V7 U10.9
/GPIO8: U1.R8 U10.11
/GPIO9: U1.T8 U10.12
/GPIO10: U1.U8 U10.13
/GPIO11: U1.V8 U10.14
/GPIO12\DBG-UART_TX: U1.R9 U10.15
/GPIO13\DBG-UART_RX: U1.T9 U10.16
/GPIO14: U1.R10 U10.17
/GPIO15: U1.T10 U10.18
/GPIO16\JTAG_TDI: RM1.3.1 U1.T2 U10.27
/GPIO17\JTAG_TDO: RM1.2.1 U1.U2 U10.28
/GPIO18\JTAG_TCK: RM1.4.1 U1.R3 U10.29
/GPIO19\JTAG_TMS: RM1.1.1 U1.T3 U10.30
/GPIO20\JTAG_RST: R20.2 U10.31
/GPIO21\JTAG_TRST: TRST1.1 U10.32
/GPIO22\GPIN1: U1.N15 U10.34
/GPIO23\CLK1: U1.P12 U10.35
/GPIO24\CLK2: U1.P14 U10.36
/GPIO25\JTAG_LED: JTAG_LED1.2 U1.R14 U10.37
/GPIO26: U1.R11 U10.38
/GPIO27: U1.P11 U10.39
/GPIO28: U1.U10 U10.40
/GPIO29: U1.V10 U10.41
/IO0: U8.5 U10.53
/IO1: U8.2 U10.55
/IO2: U8.3 U10.54
/IO3: U8.7 U10.51
/NA_A0: BANK_NA1.3 U1.A3
/NA_A1: BANK_NA1.5 U1.A4
/NA_A2: BANK_NA1.7 U1.B5
/NA_A3: BANK_NA1.9 U1.C6
/NA_A4: BANK_NA1.11 U1.A6
/NA_A5: BANK_NA1.13 U1.C7
/NA_A6: BANK_NA1.15 U1.C8
/NA_A7: BANK_NA1.17 U1.A8
/NA_A8: BANK_NA1.19 U1.C9
/NA_B0: BANK_NA1.4 U1.B3
/NA_B1: BANK_NA1.6 U1.B4
/NA_B2: BANK_NA1.8 U1.C5
/NA_B3: BANK_NA1.10 U1.D6
/NA_B4: BANK_NA1.12 U1.B6
/NA_B5: BANK_NA1.14 U1.D7
/NA_B6: BANK_NA1.16 U1.D8
/NA_B7: BANK_NA1.18 U1.B8
/NA_B8: BANK_NA1.20 U1.D9
/NB_A0: BANK_NB1.3 U1.B9
/NB_A1: BANK_NB1.5 U1.D10
/NB_A2: BANK_NB1.7 U1.B11
/NB_A3: BANK_NB1.9 U1.D11
/NB_A4: BANK_NB1.11 U1.B12
/NB_A5: BANK_NB1.13 U1.D12
/NB_A6: BANK_NB1.15 U1.D13
/NB_A7: BANK_NB1.17 U1.B14
/NB_A8: BANK_NB1.19 U1.D14
/NB_B0: BANK_NB1.4 U1.A9
/NB_B1: BANK_NB1.6 U1.C10
/NB_B2: BANK_NB1.8 U1.A11
/NB_B3: BANK_NB1.10 U1.C11
/NB_B4: BANK_NB1.12 U1.A12
/NB_B5: BANK_NB1.14 U1.C12
/NB_B6: BANK_NB1.16 U1.C13
/NB_B7: BANK_NB1.18 U1.A14
/NB_B8: BANK_NB1.20 U1.C14
/POR_EN: POR_EN1.2 R21.2 U1.U1
/PS2_CLK: FET2.2 R30.2 U1.N1
/PS2_DATA: FET1.2 R24.2 U1.N2
/PSRAM_CS#: R53.2 R57.2 U1.E3 U7.1 U9.1
/PSRAM_DATA0: U1.D1 U7.5
/PSRAM_DATA1: U1.D2 U7.2
/PSRAM_DATA2: U1.D3 U7.3
/PSRAM_DATA3: U1.D4 U7.7
/PSRAM_DATA4: U1.C3 U9.5
/PSRAM_DATA5: U1.C4 U9.2
/PSRAM_DATA6: U1.B1 U9.3
/PSRAM_DATA7: U1.B2 U9.7
/PSRAM_SCLK: R54.2 R58.2 U1.E4
/RP2040_RST#: C96.1 R49.2 R52.1 RP-RST1.1 U10.26
/RP2040_SWCLK: R47.1 U10.24
/RP2040_SWDIO: R48.1 U10.25
/SB_A0: BANK_MISC1.27 U1.U17
/SB_A1: BANK_MISC1.23 U1.R17
/SB_A2: BANK_MISC1.19 U1.P17
/SB_A3: BANK_MISC1.15 U1.M17
/SB_B0: BANK_MISC1.25 U1.U18
/SB_B1: BANK_MISC1.21 U1.R18
/SB_B2: BANK_MISC1.17 U1.P18
/SB_B3: BANK_MISC1.13 U1.M18
/SER_CLK_N: BANK_MISC1.20 R13.1 U1.T13
/SER_CLK_P: BANK_MISC1.22 R13.2 U1.T12
/SER_RX_N: BANK_MISC1.28 U1.V11
/SER_RX_P: BANK_MISC1.30 U1.U11
/SER_TX_N: BANK_MISC1.26 U1.V13
/SER_TX_P: BANK_MISC1.24 U1.U13
/UEXT_CS#: U5.12 UEXT1.10
/UEXT_MISO: U5.15 UEXT1.7
/UEXT_MOSI: U5.14 UEXT1.8
/UEXT_RXD: U5.18 UEXT1.4
/UEXT_SCK: U5.13 UEXT1.9
/UEXT_SCL: R26.2 U5.17 UEXT1.5
/UEXT_SDA: R27.2 U5.16 UEXT1.6
/UEXT_TXD: U5.20 UEXT1.3
/USB_D+: R56.1 USB-C1.A6 USB-C1.B6
/USB_D-: R55.1 USB-C1.A7 USB-C1.B7
/VGA_Blue_0: R44.2 U1.H2
/VGA_Blue_1: R43.2 U1.H1
/VGA_Blue_2: R42.2 U1.J4
/VGA_Blue_3: R41.2 U1.J3
/VGA_Green_0: R40.2 U1.K2
/VGA_Green_1: R39.2 U1.K1
/VGA_Green_2: R38.2 U1.K4
/VGA_Green_3: R37.2 U1.K3
/VGA_HSync: TVS5.2 U1.M3 VGA1.13
/VGA_Red_0: R35.2 U1.L2
/VGA_Red_1: R34.2 U1.L1
/VGA_Red_2: R33.2 U1.L4
/VGA_Red_3: R32.2 U1.L3
/VGA_VSync: TVS4.2 U1.M4 VGA1.14
/WB_A8: BANK_MISC1.9 U1.H3
/WB_B8: BANK_MISC1.11 U1.H4
/WC_A0: BANK_MISC1.18 U1.G1
/WC_A1: BANK_MISC1.14 U1.G3
/WC_A2: BANK_MISC1.10 U1.F3
/WC_A3: BANK_MISC1.6 U1.E1
/WC_B0: BANK_MISC1.16 U1.G2
/WC_B1: BANK_MISC1.12 U1.G4
/WC_B2: BANK_MISC1.8 U1.F4
/WC_B3: BANK_MISC1.4 U1.E2
/~{BOOTSEL}: R46.2 RP-BOOT1.1
Net-(BANK_MISC1-Pad31): BANK_MISC1.31 R50.2
Net-(BANK_MISC1-Pad32): BANK_MISC1.32 R51.1
Net-(C89-Pad1): C89.1 FPGA_BUT1.1 R28.1 R31.1
Net-(C110-Pad1): C110.1 Q1.1 R59.1
Net-(CFG_DONE_LED1-K): CFG_DONE_LED1.1 R18.1
Net-(CFG_FAILED_LED1-K): CFG_FAILED_LED1.1 R17.1
Net-(CLK0_EN1-Pad2): CLK0_EN1.2 R36.1
Net-(CR1-OUT): CR1.3 R36.2
Net-(D1-A): C83.1 D1.2 R19.2 U2.3
Net-(FET1-D): FET1.3 PS2_KBD1.1 R23.2
Net-(FET2-D): FET2.3 PS2_KBD1.5 R29.2
Net-(FPGA_LED1-K): FPGA_LED1.1 R25.1
Net-(FPGA_RST_LED1-K): FPGA_RST_LED1.1 R7.1
Net-(JTAG_LED1-K): JTAG_LED1.1 R66.1
Net-(PWR_LED1-K): PWR_LED1.1 R76.1
Net-(R1-Pad2): R1.2 R2.2 U1.N18
Net-(R3-Pad2): R3.2 R4.2 U1.T18
Net-(R6-Pad2): R6.2 U1.U16
Net-(R10-Pad2): R10.2 U1.V16
Net-(R47-Pad2): R47.2 SWD1.1
Net-(R48-Pad2): R48.2 SWD1.3
Net-(R77-Pad2): R77.2 VDD_CORE_SET1.1
Net-(R79-Pad1): R79.1 VDD_CORE_SET1.3
Net-(TVS1-IO2): R41.1 R42.1 R43.1 R44.1 TVS1.2 VGA1.3
Net-(TVS2-IO2): R37.1 R38.1 R39.1 R40.1 TVS2.2 VGA1.2
Net-(TVS3-IO2): R32.1 R33.1 R34.1 R35.1 TVS3.2 VGA1.1
Net-(U1A-SER_RTERM): R22.1 U1.V12
Net-(U1G-NC): R9.2 U1.N16
Net-(U1H-POR_ADJ): C82.1 R11.1 R12.1 U1.V15
Net-(U6-B1): Pmod1.1 U6.20
Net-(U6-B2): Pmod1.7 U6.18
Net-(U6-B3): Pmod1.2 U6.17
Net-(U6-B4): Pmod1.8 U6.16
Net-(U6-B5): Pmod1.3 U6.15
Net-(U6-B6): Pmod1.9 U6.14
Net-(U6-B7): Pmod1.4 U6.13
Net-(U6-B8): Pmod1.10 U6.12
Net-(U7-SCLK): R54.1 U7.6
Net-(U9-SCLK): R58.1 U9.6
Net-(U10-XIN): C111.1 Q1.2 U10.20
Net-(U10-XOUT): R59.2 U10.21
Net-(U11-EN): C116.1 R62.1 U11.1
Net-(U11-FB): R60.1 R64.1 U11.5
Net-(U11-LX): L3.1 U11.3
Net-(U12-EN): C117.1 R63.1 U12.1
Net-(U12-FB): R61.1 R65.1 U12.5
Net-(U12-LX): L4.1 U12.3
Net-(U13-EN): C122.1 R69.1 U13.1
Net-(U13-FB): R67.1 R71.1 U13.5
Net-(U13-LX): L5.1 U13.3
Net-(U14-EN): C123.1 R70.1 U14.1
Net-(U14-FB): R68.1 R72.1 U14.5
Net-(U14-LX): L6.1 U14.3
Net-(U15-FB): R73.1 R78.1 U15.5 VDD_CORE_SET1.2
Net-(U15-LX): L7.1 U15.3
Net-(USB-C1-CC1): R75.2 USB-C1.A5
Net-(USB-C1-CC2): R74.2 USB-C1.B5

Pads without a net: FID1 Fid1; FID2 Fid1; FID3 Fid1; FID4 Fid1; FID5 Fid1; FID6 Fid1; FID7 Fid1; FID8 Fid1; FID9 Fid1; FID10 Fid1; FID11 Fid1; FID12 Fid1; PS2_KBD1 2 6 7 8; U1 L-FID1 L-FID2 L-FID3; USB-C1 A8 B8; VGA1 4 9 11 12 15

## Via types
v1: diameter 1, hole 0.6, Top to Bottom, 657 vias
v2: diameter 0.45, hole 0.3, Top to Bottom, 665 vias

## Routing (per net, layer and track width the routed paths; a pad name or vN(x,y) marks a point on that pad's centre or on a via; arc(x,y) is an arc through that point)
+1V2: length 336
  Top w0.508: 99.9,62.1 R68.2
  Top w1.016: 96.8,62.1 96.08,61.38 C121.1 ; 96.8,62.1 99.9,62.1 ; 96.8,62.1 96.1,62.1 ; 94.95,62.1 94.7,61.85 ; 94.95,62.1 96.1,62.1 ; 94.95,62.1 94.6,61.75 v1(94.6,60.45) v1(94.6,56) 94.9,56 L6.2 ; 94.95,62.1 95.3,61.75 95.3,57.6 L6.2 ; 96.1,62.1 96.08,62.08 C121.1 ; L6.2 96.1,57.2 v1(96.1,59.2) 96.08,59.22 C121.1 ; 45.56,60.46 45.55,60.45 ; 83.29,60.46 v1(83.3,60.45) ; 24.79,60.46 v1(24.8,60.45) ; 46.1,59.9 48.3,59.9 v1(48.8,59.4) ; 48.79,60.46 v1(48.8,60.45) ; 78.91,60.46 v1(78.9,60.45) ; 20.41,60.46 v1(20.4,60.45)
  Top w1.27: 20.41,60.46 VDD_NA_SEL1.5 24.79,60.46 ; 45.55,60.45 v1(46.6,59.4) v1(48.8,59.4) v1(48.8,60.45) ; 83.29,60.46 VDD_EB_SEL1.5 78.91,60.46 78.91,59.41 v1(78.9,59.4) v1(83.3,59.4) v1(83.3,60.45) ; 48.79,60.46 VDD_NB_SEL1.5 45.56,60.46 ; v1(20.4,60.45) v1(20.4,59.4) v1(24.8,59.4) v1(24.8,60.45)
  Bottom w1.016: 96.5,61 89.05,61 88.97,60.92 ; 96.5,61 95.95,60.45 ; 96.5,61 97.2,61.7 ; v1(46.6,59.4) 46.1,59.9 48.3,59.9 v1(48.8,59.4) v1(48.8,60.45) ; 45.55,60.45 45.4,60.45 ; 88.97,60.92 89.75,61.7 97.2,61.7 ; 88.97,60.92 88.5,60.45 ; 97.2,61.7 112.5,61.7 117.4,56.8 117.4,19.11 +1V2.1
  Bottom w1.27: v1(83.3,60.45) v1(78.9,60.45) ; v1(83.3,60.45) v1(94.6,60.45) ; v1(83.3,60.45) v1(83.3,59.4) ; v1(78.9,60.45) 77.85,59.4 ; v1(78.9,60.45) 49.85,60.45 ; 95.75,60.45 95.95,60.45 96.1,60.3 v1(96.1,59.2) 96.1,56.5 95.6,56 ; 95.75,60.45 95.6,60.3 95.6,56 ; 95.75,60.45 v1(94.6,60.45) ; 95.6,56 v1(94.6,56) ; v1(48.8,59.4) 77.85,59.4 ; v1(48.8,59.4) 49.85,60.45 ; v1(48.8,59.4) v1(47.7,59.4) v1(46.6,59.4) ; 77.85,59.4 v1(83.3,59.4) ; v1(94.6,56) 91.2,59.4 90.1,59.4 ; v1(94.6,56) v1(94.6,60.45) ; v1(46.6,59.4) 45.55,60.45 ; v1(46.6,59.4) v1(24.8,59.4) ; 26,60.45 v1(48.8,60.45) 49.85,60.45 ; 26,60.45 v1(24.8,60.45) ; 26,60.45 25.85,60.45 v1(24.8,59.4) ; 90.1,59.4 93.4,59.4 v1(94.6,58.2) ; 90.1,59.4 94.5,59.4 v1(94.6,59.3) ; 90.1,59.4 v1(83.3,59.4) ; 90.1,59.4 92.3,59.4 v1(94.6,57.1) ; v1(24.8,59.4) v1(24.8,60.45) ; v1(24.8,59.4) v1(20.4,59.4) v1(20.4,60.45) v1(24.8,60.45)
  vias: v1(21.5,59.4) v1(22.6,59.4) v1(23.7,59.4) v1(80,59.4) v1(81.1,59.4) v1(82.2,59.4)
